# Altium PCB CM3_IO_V1.3_20220317.PcbDoc (part 4 of 7)
Units mil, origin at the board's own origin, x right, y up, seen from the top; angles counter-clockwise.
Board outline 6299.61 x 3544.09 mil, 4 copper layers (Top, GND, Power, Bottom), stack 35.4 mil thick; 551 components, 415 nets, 1958 pads, 2673 vias.
Unrouted connection lines stored in the file: 298.
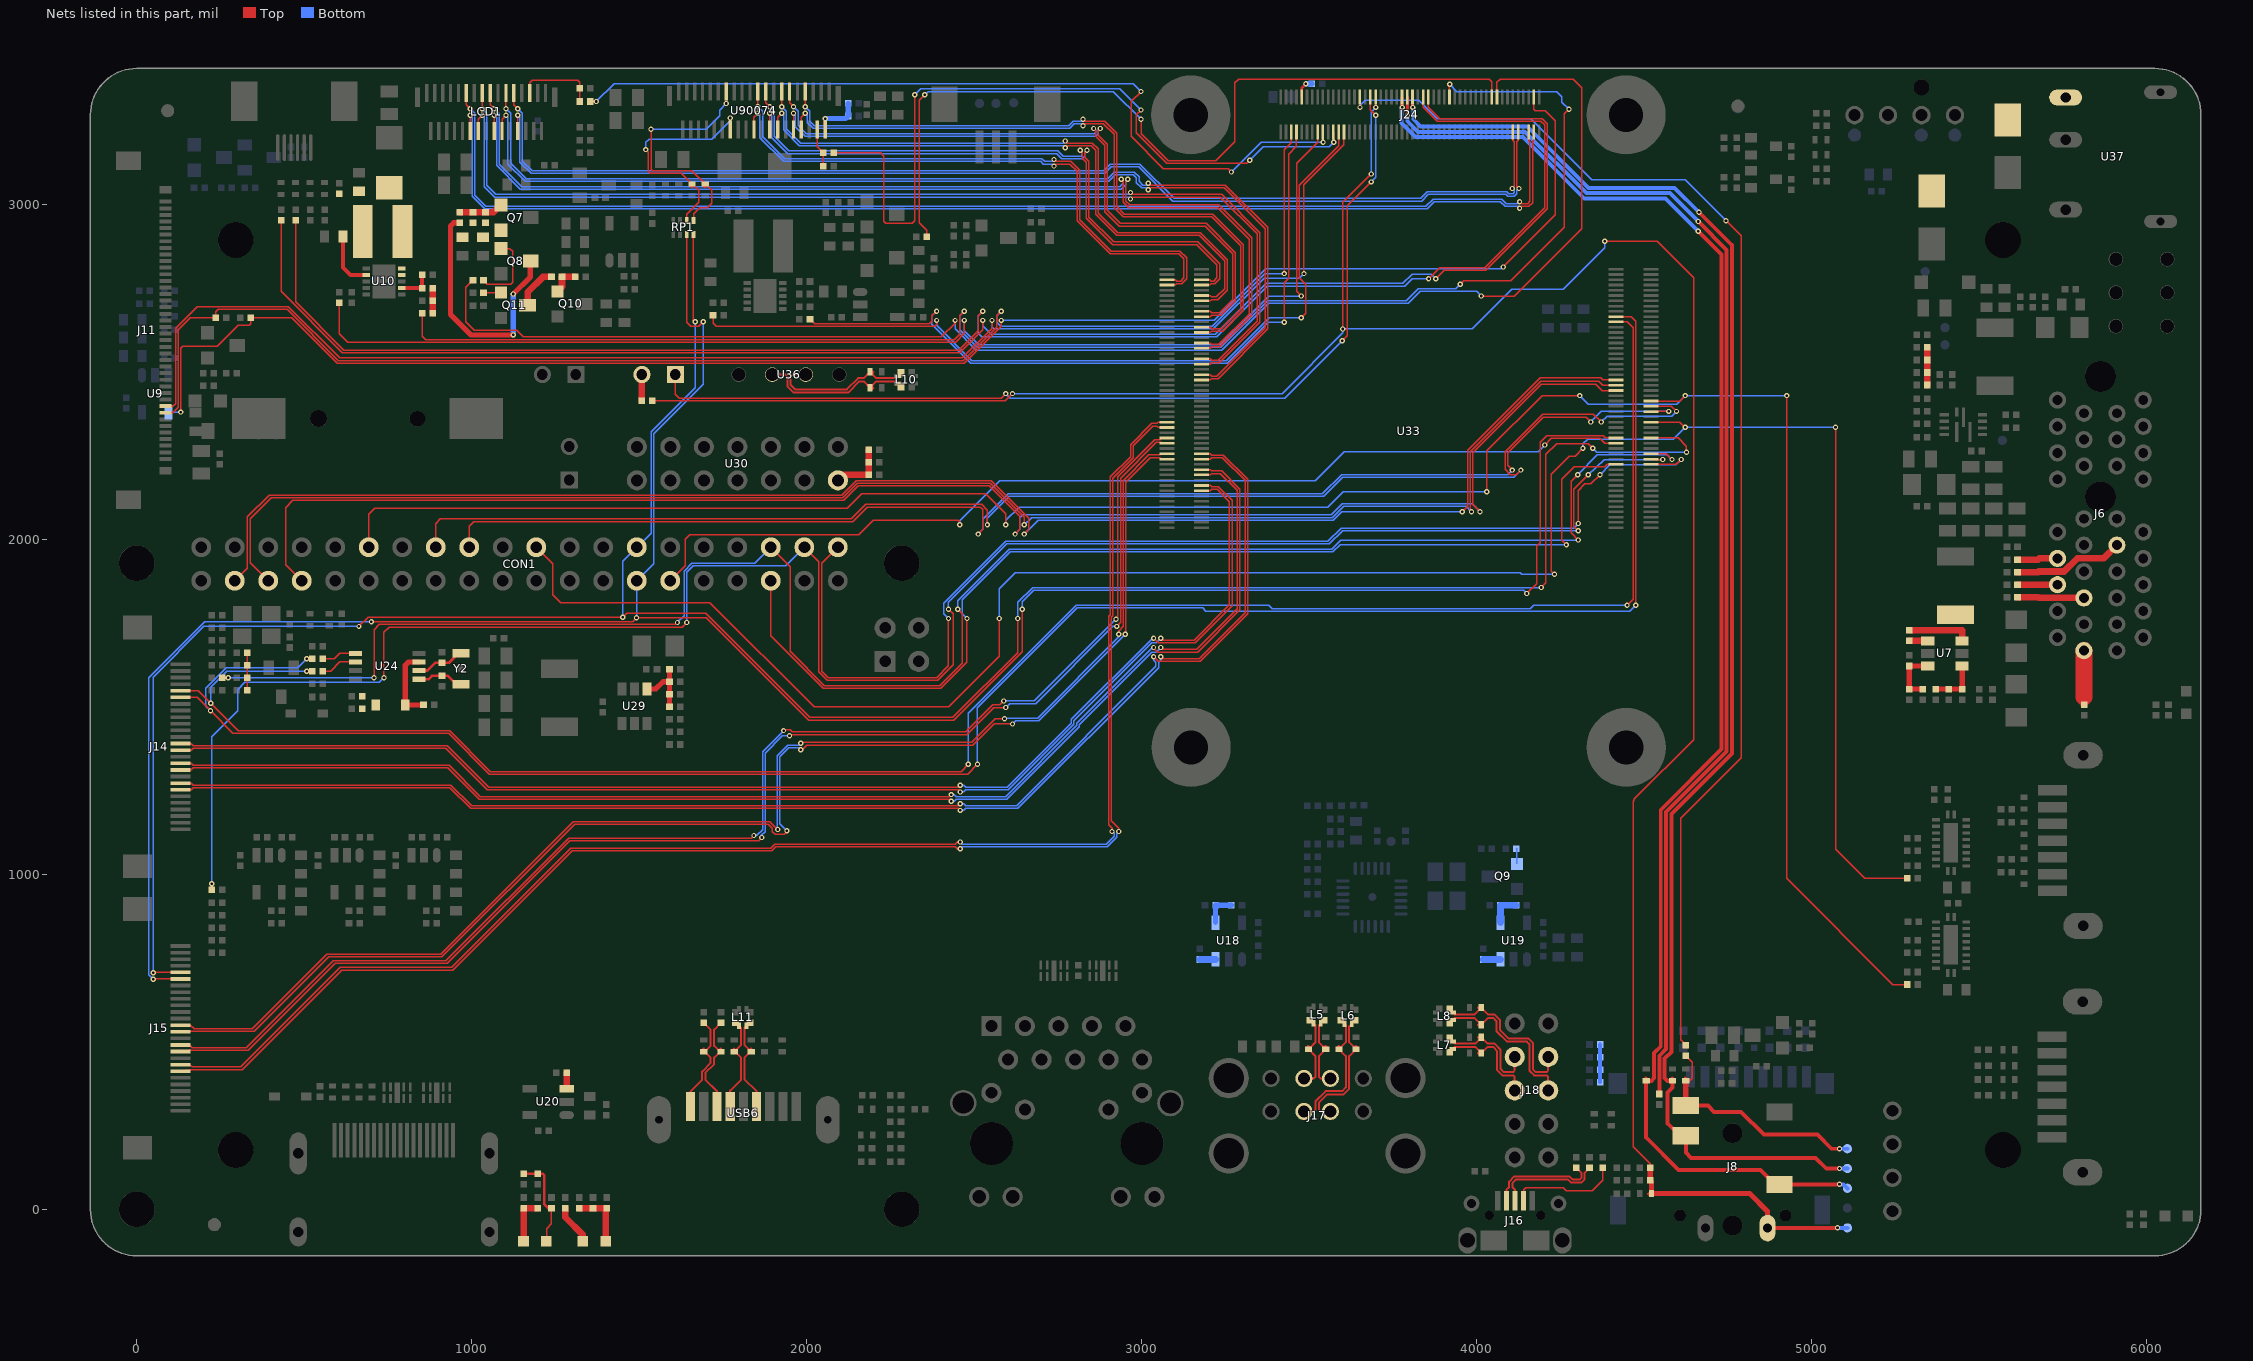
[diagram p6: the nets of this part, all layers, seen from the top]

## Via types
v1: diameter 15.75, hole 7.87, Top to Bottom, 2641 vias
v2: diameter 19.68, hole 11.81, Top to Bottom, 32 vias

## Nets (pads, with @x,y where several pads share a name; then routed paths per layer and width w, separated by ;. In a path a pad name is that pad's centre, name@x,y a point inside that pad or via, vN(x,y) a via of type N, cw(c..) or ccw(c..) an arc to the next point about the centre after c; other vN are vias at no path point) (continued)
HP_DET_L_GPIO4_C4: J24.70 R31.2 | length 3846
  Top w3.94: J24.70@3650.98,3320.08 3651.57,3319.49 v1(3651.57,3289.37) ; R31.2@4624.02,490.16 4608.27,505.91 4608.27,1167.32 4789.37,1348.43 4789.37,2905.51 v1(4744.09,2950.79)
  Bottom w3.94: v1(3651.57,3289.37) 3651.57,3295.28 3667.32,3311.02 3826.77,3311.02 3881.89,3255.91 4160.63,3255.91 4343.7,3072.83 4622.05,3072.83 v1(4744.09,2950.79)
HP_SNS: J24.52 R30.2 | length 3786.9
  Top w7.87: J24.52@3792.72,3320.08 3793.31,3319.49 v1(3793.31,3265.75)
  Top w11.81: R30.2@4545.28,344.49 4545.28,458.66 4564.96,478.35 4564.96,1186.27 4746.06,1367.38 4746.06,2864.17 v1(4661.42,2948.82)
  Bottom w11.81: v1(3793.31,3265.75) 3793.31,3248.03 3824.8,3216.54 4144.32,3216.54 4327.39,3033.46 4576.77,3033.46 v1(4661.42,2948.82)
HPL_OUT: ED16.1 J8.3 J24.50 TP2.1 | length 4524.8
  Top w7.87: J24.50@3808.46,3320.08 3808.46,3305.12 v1(3809.06,3289.37)
  Top w11.81: v1(4663.39,2976.38) 4761.81,2877.95 4761.81,1360.85 4580.71,1179.75 4580.71,470.47 4561.02,450.79 4561.02,391.73 4568.9,383.86 ED16.1@4584.65,383.86 4584.65,364.17 4569.69,349.21 4569.69,257.09 4607.09,219.68 J8.3@4624.02,219.68 4624.02,169.29 4639.76,153.54 5011.81,153.54 5043.31,122.05 v1(5082.68,122.05)
  Bottom w11.81: v1(3809.06,3289.37) 3811.02,3287.4 3811.02,3253.94 3832.68,3232.28 4150.84,3232.28 4333.91,3049.21 4590.55,3049.21 v1(4663.39,2976.38) ; v1(5082.68,122.05) TP2.1@5106.3,122.05
HPR_OUT: ED18.1 J8.6 J24.54 TP5.1 | length 4597.8
  Top w7.87: J24.54@3776.97,3320.08 3776.97,3297.24 v1(3777.56,3289.37)
  Top w11.81: v1(4661.42,2919.29) 4730.31,2850.39 4730.31,1373.9 4549.21,1192.8 4549.21,486.22 4529.53,466.54 4529.53,391.73 4521.65,383.86 ED18.1@4505.91,383.86 4505.91,214.57 4602.36,118.11 4846.39,118.11 4889.76,74.02 J8.6@4903.54,74.02 4904.33,74.8 v1(5082.68,74.8)
  Bottom w11.81: v1(3777.56,3289.37) 3775.59,3287.4 3775.59,3242.13 3816.93,3200.79 4137.8,3200.79 4320.87,3017.72 4562.99,3017.72 v1(4661.42,2919.29) ; v1(5082.68,74.8) 5094.49,74.8 TP5.1@5106.3,62.99
I2C0_SCL_PMIC: J14.5 R140.1 U33.80 | length 5984.3
  Top w3.94: J14.5@131.1,1548.04 184.25,1548.04 v1(221.46,1510.83) 303.15,1429.13 934.17,1429.13 1056.21,1307.09 2460.63,1307.09 v1(2482.28,1328.74) ; v1(507.87,1606.3) R140.1@523.62,1606.3 ; U33.80@4415.75,2649.02 4449.41,2649.02 4466.54,2631.89 4466.54,1820.87 v1(4448.82,1803.15)
  Bottom w3.94: v1(221.46,1510.83) 221.46,1558.75 269.01,1606.3 v1(507.87,1606.3) ; v1(2482.28,1328.74) 2482.28,1481.41 2804.02,1803.15 3379.86,1803.15 3389.71,1793.31 4160.33,1793.31 4170.18,1803.15 v1(4448.82,1803.15)
I2C0_SDA_PMIC: J14.6 R141.1 U33.82 | length 6092.6
  Top w3.94: J14.6@131.1,1528.35 180.32,1528.35 v1(220.47,1488.19) 287.4,1421.26 930.9,1421.26 1052.95,1299.21 2480.31,1299.21 v1(2509.84,1328.74) ; v1(507.87,1643.7) R141.1@523.62,1643.7 ; U33.82@4415.75,2664.76 4460.63,2664.76 4474.41,2650.98 v1(4474.41,1803.15)
  Bottom w3.94: v1(220.47,1488.19) 206.69,1501.97 206.69,1555.12 267.72,1616.14 480.31,1616.14 v1(507.87,1643.7) ; v1(2509.84,1328.74) 2509.84,1497.83 2807.28,1795.28 3181.83,1795.28 3191.68,1785.43 4456.69,1785.43 v1(4474.41,1803.15)
I2C2_SCL_LCD: D14.1 RP1.4 U90074.27 | length 754.3
  Top w3.94: v1(1535.43,3224.41) 1535.43,3104.33 1539.37,3100.39 1657.48,3100.39 D14.1@1696.85,3061.02 1716.54,3041.34 1716.54,3003.94 1702.76,2990.16 1681.1,2990.16 1663.39,2972.44 1663.39,2953.1 RP1.4@1661.89,2951.6 ; v1(1759.84,3301.18) U90074.27@1759.84,3336.61
  Bottom w3.94: v1(1535.43,3224.41) 1700.79,3224.41 1740.16,3263.78 1740.16,3281.5 v1(1759.84,3301.18)
I2C2_SCL_M1: CON1.28 J15.5 RP1.5 U33.35 | length 7781.7
  Top w3.94: v1(49.21,706.69) 50,707.48 J15.5@131.1,707.48 ; v1(663.39,1740.16) 690.94,1767.72 v1(1450.79,1767.72) 1462.6,1779.53 1698.14,1779.53 2009.17,1468.5 2436.39,1468.5 2629.92,1662.03 v1(2629.92,1763.78) ; RP1.5@1661.89,2910.6 1661.89,2653.54 1667.32,2648.11 v1(1667.32,2649.61) ; v1(4192.91,1856.3) 4206.69,1870.08 4206.69,2253.94 4238.19,2285.43 4332.68,2285.43 v1(4346.46,2271.65) ; U33.35@4520.47,2302.56 4600.98,2302.56 4625.98,2277.56 v1(4625.98,2259.84)
  Bottom w3.94: v1(49.21,706.69) 49.21,1588.58 200.79,1740.16 v1(663.39,1740.16) ; v1(1450.79,1767.72) 1450.79,1934.25 CON1.28@1492.91,1976.38 1535.43,2018.9 1535.43,2320.87 1667.32,2452.76 v1(1667.32,2649.61) ; v1(2629.92,1763.78) 2629.92,1811.7 2674.52,1856.3 v1(4192.91,1856.3) ; v1(4346.46,2271.65) 4358.27,2259.84 v1(4625.98,2259.84)
I2C2_SCL_MO: CON1.5 U33.56 | length 4699.2
  Top w3.94: CON1.5@392.91,1876.38 338.58,1930.71 338.58,2061.02 401.57,2124.02 2107.59,2124.02 2150.9,2167.32 2547.92,2167.32 2649.61,2065.64 v1(2649.61,2043.31) ; v1(3984.25,2082.68) 3980.31,2086.61 3980.31,2261.81 4190.94,2472.44 4363.58,2472.44 4375.98,2460.04 U33.56@4415.75,2460.04
  Bottom w3.94: v1(2649.61,2043.31) 2671.26,2064.96 3568.96,2064.96 3602.42,2098.43 3968.5,2098.43 v1(3984.25,2082.68)
I2C2_SDA_LCD: D17.1 RP1.3 U90074.26 | length 688.7
  Top w3.94: v1(1519.69,3163.39) 1527.56,3155.51 1527.56,3098.43 1533.46,3092.52 1625.98,3092.52 D17.1@1657.48,3061.02 1677.17,3041.34 1677.17,3005.91 1641.89,2970.63 RP1.3@1641.89,2951.6 ; U90074.26@1771.65,3223.43 v1(1771.65,3257.87)
  Bottom w3.94: v1(1519.69,3163.39) 1519.69,3185.04 1529.53,3194.88 1716.54,3194.88 1771.65,3250 v1(1771.65,3257.87)
I2C2_SDA_M1: CON1.27 J15.6 RP1.6 U33.36 | length 7548.3
  Top w3.94: v1(49.21,687.01) 50,687.79 J15.6@131.1,687.79 ; v1(700.79,1753.94) 1480.31,1753.94 v1(1492.13,1765.75) 1700.79,1765.75 2005.91,1460.63 2439.65,1460.63 2643.7,1664.68 v1(2643.7,1791.34) ; RP1.6@1641.89,2910.6 1641.89,2647.48 1653.54,2635.83 1677.17,2635.83 v1(1690.94,2649.61) ; v1(4149.61,1838.58) 4179.13,1868.11 4179.13,1980.31 4188.98,1990.16 4188.98,2289.37 4208.66,2309.06 4377.36,2309.06 4383.86,2302.56 U33.36@4415.75,2302.56
  Bottom w3.94: v1(49.21,687.01) 35.43,700.79 35.43,1586.61 202.76,1753.94 v1(700.79,1753.94) ; v1(1492.13,1765.75) 1492.91,1766.54 CON1.27@1492.91,1876.38 1543.31,1926.77 1543.31,2314.96 1690.94,2462.6 v1(1690.94,2649.61) ; v1(2643.7,1791.34) 2643.7,1814.34 2677.78,1848.43 4139.76,1848.43 v1(4149.61,1838.58)
I2C2_SDA_MO: CON1.3 U33.58 | length 4743.3
  Top w3.94: CON1.3@292.91,1876.38 330.71,1914.17 330.71,2066.93 395.67,2131.89 2104.33,2131.89 2133.86,2161.42 2147.64,2175.2 2551.18,2175.2 2663.39,2062.99 2663.39,2029.53 v1(2649.61,2015.75) ; v1(3956.69,2082.68) 3972.44,2098.43 3972.44,2265.75 4188.98,2482.28 4370.08,2482.28 4376.57,2475.79 U33.58@4415.75,2475.79
  Bottom w3.94: v1(2649.61,2015.75) 2690.94,2057.09 3572.22,2057.09 3597.81,2082.68 v1(3956.69,2082.68)
I2C3_SCL_TP: J24.44 R49.1 | length 4976.4
  Top w3.94: R49.1@431.1,2952.76 431.1,2740.16 614.17,2557.09 2457.43,2557.09 2525.59,2625.25 v1(2525.59,2653.54) ; J24.44@3855.71,3320.08 3855.71,3289.96 3889.76,3255.91 4194.94,3255.91 4210.63,3240.22 4210.63,2990.83 4210.63,2986.9 4026.88,2803.15 3903.54,2803.15 v1(3877.95,2777.56)
  Bottom w3.94: v1(2525.59,2653.54) 2525.59,2637.8 2551.18,2612.2 3220.03,2612.2 3371.6,2763.78 3779.53,2763.78 3807.09,2791.34 3864.17,2791.34 v1(3877.95,2777.56)
I2C3_SDA_TP: J24.46 R48.1 | length 5017.6
  Top w3.94: R48.1@474.41,2952.76 474.41,2708.66 618.11,2564.96 2454.16,2564.96 2511.81,2622.61 2511.81,2667.32 v1(2525.59,2681.1) ; J24.46@3839.96,3320.08 3839.96,3289.96 3881.89,3248.03 4191.68,3248.03 4202.76,3236.95 4202.76,2990.16 4023.62,2811.02 3889.76,2811.02 v1(3856.3,2777.56)
  Bottom w3.94: v1(2525.59,2681.1) 2511.81,2667.32 2511.81,2615.29 2522.77,2604.33 3223.29,2604.33 3374.87,2755.91 3785.43,2755.91 3807.09,2777.56 v1(3856.3,2777.56)
I2S1_LRCK_RX_M1: CON1.36 R80.2 U33.29 | length 5592.8
  Top w3.94: R80.2@255.91,1586.61 v1(273.62,1586.61) ; v1(708.66,1586.61) 708.66,1730.31 724.41,1746.06 1608.27,1746.06 v1(1614.17,1751.97) ; CON1.36@1892.91,1976.38 1950.79,1918.5 1950.79,1665.35 2053.15,1562.99 2397.25,1562.99 2464.57,1630.31 2464.57,1777.56 v1(2450.79,1791.34) ; v1(4301.18,2192.91) 4281.5,2173.23 4281.5,2019.68 v1(4303.15,1998.03) ; U33.29@4520.47,2255.31 4565.55,2255.31 v1(4582.68,2238.19)
  Bottom w3.94: v1(273.62,1586.61) v1(708.66,1586.61) ; v1(1614.17,1751.97) 1633.86,1771.65 1633.86,1905.51 1657.48,1929.13 1845.67,1929.13 CON1.36@1892.91,1976.38 ; v1(2450.79,1791.34) 2450.79,1816.99 2604.27,1970.47 3566.93,1970.47 3594.49,1998.03 v1(4303.15,1998.03) ; v1(4301.18,2192.91) 4360.24,2251.97 4568.9,2251.97 v1(4582.68,2238.19)
I2S1_LRCK_TX_M1: CON1.35 U33.26 | length 3291.6
  Top w3.94: CON1.35@1892.91,1876.38 1892.91,1712.09 2049.89,1555.12 2400.51,1555.12 2478.35,1632.95 v1(2478.35,1763.78) ; v1(4267.72,1984.25) 4253.94,1998.03 4253.94,2179.13 4291.34,2216.54 4382.48,2216.54 4389.76,2223.82 U33.26@4415.75,2223.82
  Bottom w3.94: v1(2478.35,1763.78) 2464.57,1777.56 2464.57,1819.63 2607.53,1962.6 3570.87,1962.6 3592.52,1984.25 v1(4267.72,1984.25)
I2S1_MCLK_M1: CON1.22 R28.2 U33.41 | length 6411.3
  Top w3.94: CON1.22@1192.91,1976.38 1242.13,1927.17 1242.13,1834.65 1265.75,1811.02 1711.19,1811.02 2022.21,1500 2423.34,1500 2574.8,1651.46 v1(2574.8,1763.78) ; v1(4232.28,1895.67) 4222.44,1905.51 4222.44,2194.88 4275.59,2248.03 4293.31,2248.03 v1(4316.93,2271.65) ; U33.41@4520.47,2349.8 4606.3,2349.8 4621.46,2334.65 v1(4622.05,2334.65) ; v1(5070.87,2334.65) 5070.87,1074.8 5157.48,988.19 R28.2@5285.43,988.19
  Bottom w3.94: v1(2574.8,1763.78) 2574.8,1851.92 2622.49,1899.61 4129.92,1899.61 4133.86,1895.67 v1(4232.28,1895.67) ; v1(4316.93,2271.65) 4316.93,2285.43 4330.71,2299.21 4586.61,2299.21 v1(4622.05,2334.65) v1(5070.87,2334.65)
I2S1_SCLK_TX_M1: CON1.12 R135.2 U33.49 | length 6714.6
  Top w3.94: CON1.12@692.91,1976.38 692.91,2074.8 710.63,2092.52 2120.64,2092.52 2163.95,2135.83 2534.87,2135.83 2594.49,2076.21 v1(2594.49,2043.31) ; v1(4029.53,2141.73) 4029.53,2263.78 4194.88,2429.13 v1(4307.09,2429.13) ; U33.49@4520.47,2412.8 4605.71,2412.8 v1(4622.05,2429.13) ; v1(4925.2,2429.13) 4925.2,988.19 5242.13,671.26 R135.2@5285.43,671.26
  Bottom w3.94: v1(2594.49,2043.31) 2594.49,2056.47 2634.48,2096.46 3555.91,2096.46 3601.19,2141.73 v1(4029.53,2141.73) ; v1(4307.09,2429.13) 4332.68,2403.54 4596.46,2403.54 v1(4622.05,2429.13) v1(4925.2,2429.13)
I2S1_SDI0_M1: CON1.38 R82.2 U33.27 | length 6112
  Top w3.94: R82.2@224.41,954.72 v1(224.41,972.44) ; v1(738.19,1586.61) 738.19,1722.44 753.94,1738.19 1627.95,1738.19 v1(1641.73,1751.97) ; CON1.38@1992.91,1976.38 2035.43,1933.86 2035.43,1605.01 2061.7,1578.74 2390.73,1578.74 2437.01,1625.02 2437.01,1777.56 v1(2423.23,1791.34) ; v1(4303.15,2025.59) 4289.37,2039.37 4289.37,2149.61 v1(4332.68,2192.91) ; U33.27@4520.47,2239.57 4521.06,2238.19 v1(4555.12,2238.19)
  Bottom w3.94: v1(224.41,972.44) 224.41,1411.42 301.18,1488.19 301.18,1551.18 322.83,1572.83 724.41,1572.83 v1(738.19,1586.61) ; v1(1641.73,1751.97) 1641.73,1901.57 1661.42,1921.26 1937.8,1921.26 CON1.38@1992.91,1976.38 ; v1(2423.23,1791.34) 2423.23,1811.7 2597.75,1986.22 3560.41,1986.22 3599.78,2025.59 v1(4303.15,2025.59) ; v1(4332.68,2192.91) 4379.92,2238.19 v1(4555.12,2238.19)
I2S1_SDI1_M1: CON1.18 U33.45 | length 4045.9
  Top w3.94: CON1.18@992.91,1976.38 992.91,2039.37 1006.69,2053.15 2136.95,2053.15 2180.25,2096.46 2518.57,2096.46 2525.59,2089.43 2525.59,2029.53 v1(2511.81,2015.75) ; v1(4106.3,2206.69) 4092.52,2220.47 4092.52,2257.87 4198.82,2364.17 4326.77,2364.17 v1(4340.55,2350.39) ; U33.45@4520.47,2381.3 4521.06,2381.89 v1(4572.83,2381.89)
  Bottom w3.94: v1(2511.81,2015.75) 2525.59,2029.53 2525.59,2060.46 2600.95,2135.83 3539.6,2135.83 3596.69,2192.91 4092.52,2192.91 v1(4106.3,2206.69) ; v1(4340.55,2350.39) 4372.05,2381.89 v1(4572.83,2381.89)
I2S1_SDI2_M1: CON1.16 U33.47 | length 4239.1
  Top w3.94: CON1.16@892.91,1976.38 892.91,2047.24 906.69,2061.02 2133.68,2061.02 2176.99,2104.33 2521.83,2104.33 2539.37,2086.79 v1(2539.37,2043.31) ; v1(4131.89,2206.69) 4118.11,2192.91 4100.39,2192.91 4084.65,2208.66 4084.65,2261.14 4197.53,2374.02 4348.43,2374.02 v1(4372.05,2350.39) ; U33.47@4520.47,2397.05 4581.3,2397.05 v1(4596.46,2381.89)
  Bottom w3.94: v1(2539.37,2043.31) 2539.37,2063.11 2604.21,2127.95 3542.86,2127.95 3599.95,2185.04 4110.24,2185.04 v1(4131.89,2206.69) ; v1(4372.05,2350.39) 4389.76,2368.11 4582.68,2368.11 v1(4596.46,2381.89)
I2S1_SDI3_M1: CON1.7 U33.54 | length 4711.5
  Top w3.94: CON1.7@492.91,1876.38 444.88,1924.41 444.88,2094.49 466.54,2116.14 2110.85,2116.14 2154.16,2159.45 2544.66,2159.45 2635.83,2068.28 2635.83,2029.53 v1(2622.05,2015.75) ; v1(4009.84,2082.68) 3988.19,2104.33 3988.19,2257.87 4192.91,2462.6 4355.71,2462.6 4374.02,2444.29 U33.54@4415.75,2444.29
  Bottom w3.94: v1(2622.05,2015.75) 2635.83,2029.53 2635.83,2064.4 2644.26,2072.83 3565.69,2072.83 3599.16,2106.3 3986.22,2106.3 v1(4009.84,2082.68)
I2S1_SDO0_M1: CON1.40 U33.25 | length 3515
  Top w3.94: CON1.40@2092.91,1976.38 2045.28,1928.74 2045.28,1606.3 2064.96,1586.61 2387.47,1586.61 2423.23,1622.38 v1(2423.23,1763.78) ; v1(4303.15,2047.24) 4303.15,2145.67 4322.83,2165.35 4340.55,2165.35 v1(4368.11,2192.91) ; U33.25@4520.47,2223.82 4595.87,2223.82 v1(4610.24,2238.19)
  Bottom w3.94: v1(2423.23,1763.78) 2409.45,1777.56 2409.45,1809.06 2594.49,1994.09 3555.85,1994.09 3595.22,2033.46 4289.37,2033.46 v1(4303.15,2047.24) ; v1(4368.11,2192.91) 4397.64,2222.44 4594.49,2222.44 v1(4610.24,2238.19)
I2S1_SDO2_M1: CON1.29 U33.34 | length 3074.2
  Top w3.94: CON1.29@1592.91,1876.38 1637.8,1921.26 1637.8,2000 1651.57,2013.78 2155.51,2013.78 2198.82,2057.09 2451.46,2057.09 2456.69,2051.86 v1(2456.69,2043.31) ; v1(4202.76,2281.5) 4222.44,2301.18 4367.52,2301.18 4381.89,2286.81 U33.34@4415.75,2286.81
  Bottom w3.94: v1(2456.69,2043.31) 2456.69,2055.12 2576.77,2175.2 3517.72,2175.2 3604.33,2261.81 4183.07,2261.81 v1(4202.76,2281.5)
IOVCC_1V8: R9210.2 R9211.2 U90074.2 | length 142
  Top w9.84: U90074.2@2055.12,3223.43 v1(2055.12,3255.91)
  Bottom w15.75: v1(2055.12,3255.91) 2116.14,3255.91 R9211.2@2124.02,3263.78 R9210.2@2124.02,3301.18
LCD0_BL_EN: J11.32 J24.75 | length 4339.5
  Top w3.94: J11.32@86.61,2397.64 108.27,2397.64 116.14,2405.51 116.14,2629.92 181.1,2694.88 452.76,2694.88 606.3,2541.34 2463.95,2541.34 2553.15,2630.54 v1(2553.15,2653.54) ; v1(3484.25,2793.31) 3484.25,3059.06 3603.74,3178.54 J24.75@3603.74,3216.14
  Bottom w3.94: v1(2553.15,2653.54) 2553.15,2632.51 2557.7,2627.95 3213.51,2627.95 3365.08,2779.53 3470.47,2779.53 v1(3484.25,2793.31)
LCD0_BL_PWM5: J11.33 J24.95 R43.1 | length 4312.4
  Top w3.94: J11.33@86.61,2377.95 108.27,2377.95 124.02,2393.7 124.02,2625.98 159.45,2661.42 R43.1@236.22,2661.42 236.22,2679.13 244.09,2687.01 448.82,2687.01 602.36,2533.46 2467.21,2533.46 2566.93,2633.18 2566.93,2667.32 v1(2580.71,2681.1) ; v1(3425.2,2793.31) 3425.2,3163.39 3446.26,3184.45 J24.95@3446.26,3216.14
  Bottom w3.94: v1(2580.71,2681.1) 2566.93,2667.32 2566.93,2647.64 2578.74,2635.83 3210.24,2635.83 3367.72,2793.31 v1(3425.2,2793.31)
LCD1_PWREN_H: J24.4 R41.1 U9.4 | length 5024.2
  Top w3.94: v1(131.89,2379.92) 131.89,2570.87 137.8,2576.77 240.16,2576.77 303.15,2639.76 336.61,2639.76 340.55,2643.7 R41.1@340.55,2661.42 462.6,2661.42 598.43,2525.59 2470.47,2525.59 2580.71,2635.83 v1(2580.71,2653.54) ; v1(4078.74,2812.99) 4234.25,2968.5 4234.25,3250 4204.72,3279.53 4174.61,3279.53 4170.67,3283.46 J24.4@4170.67,3320.08
  Bottom w3.94: U9.4@94.49,2379.92 v1(131.89,2379.92) ; v1(2580.71,2653.54) 3216.83,2653.54 3370.37,2807.09 4072.83,2807.09 v1(4078.74,2812.99)
LCD_RESET: R194.2 R195.1 U90074.4 | length 116.6
  Top w3.94: U90074.4@2031.5,3223.43 2031.5,3171.26 R194.2@2049.21,3153.54 R195.1@2049.21,3114.17
MCLK: C72.1 R86.1 R87.2 R88.1 | length 112.2
  Top w3.94: R86.1@330.71,1549.21 R88.1@330.71,1586.61 C72.1@330.71,1624.02 R87.2@330.71,1661.42
MIC1_IN: ED19.1 J8.5 J24.64 R32.2 R34.1 R35.2 TP4.1 | length 7590.4
  Top w3.94: R35.2@1539.37,2413.39 2592.52,2413.39 v1(2614.17,2435.04) ; v1(3600.39,2627.95) 3600.39,3005.91 v1(3685.04,3090.55) ; J24.64@3698.23,3320.08 3698.82,3319.49 v1(3698.82,3289.37) ; v1(4381.89,2889.76) 4538.08,2889.76 4647.64,2780.2 4647.64,1402.58 4470.47,1225.41 4470.47,1222.44 4466.54,1218.5 4466.54,187.01 4517.72,135.83 R34.1@4517.72,124.02
  Top w11.81: J8.5@4868.11,-55.91 4868.9,-55.12 v1(5076.77,-55.12)
  Top w15.75: R34.1@4517.72,124.02 R32.2@4517.72,86.61 4521.65,82.68 ED19.1@4521.65,47.24 4814.96,47.24 4868.11,-5.91 J8.5@4868.11,-55.91
  Bottom w3.94: v1(2614.17,2435.04) 3419.29,2435.04 3600.39,2616.14 v1(3600.39,2627.95) 3986.22,2627.95 4104.33,2746.06 4257.87,2746.06 4381.89,2870.08 v1(4381.89,2889.76) ; v1(3685.04,3090.55) 3685.04,3275.59 v1(3698.82,3289.37)
  Bottom w11.81: v1(5076.77,-55.12) TP4.1@5106.3,-55.12
MIC2_IN: J10.1 J24.66 | length 2912.7
  Top w3.94: J10.1@1608.27,2492.13 1608.27,2433.07 1620.08,2421.26 2580.71,2421.26 v1(2594.49,2435.04) ; v1(3598.43,2592.52) 3614.17,2608.27 3614.17,2996.06 v1(3685.04,3066.93) ; J24.66@3682.48,3320.08 3682.48,3281.5 3683.07,3281.5 v1(3698.82,3265.75)
  Bottom w3.94: v1(2594.49,2435.04) 2608.27,2421.26 3427.17,2421.26 v1(3598.43,2592.52) ; v1(3685.04,3066.93) 3698.82,3080.71 v1(3698.82,3265.75)
MIPI_BL_EN_1: J24.85 R54.1 | length 3654.4
  Top w3.94: R54.1@604.33,2706.69 604.33,2614.17 629.92,2588.58 2444.38,2588.58 2470.47,2614.67 v1(2470.47,2653.54) ; v1(3476.38,2726.38) 3462.6,2740.16 3462.6,3122.64 3525,3185.04 J24.85@3525,3216.14
  Bottom w3.94: v1(2470.47,2653.54) 2470.47,2623.22 2512.99,2580.71 3233.07,2580.71 3378.74,2726.38 v1(3476.38,2726.38)
MIPI_BL_EN_2: J24.77 R191.1 | length 2526.3
  Top w3.94: R191.1@1720.47,2669.29 1720.47,2645.67 1730.31,2635.83 2381.89,2635.83 2387.8,2641.73 v1(2387.8,2653.54) ; v1(3476.38,2661.42) 3490.16,2675.2 3490.16,2761.81 3470.47,2781.5 3470.47,3057.09 3587.99,3174.61 J24.77@3587.99,3216.14
  Bottom w3.94: v1(2387.8,2653.54) 2387.8,2639.09 2493.42,2533.46 3252.64,2533.46 3380.6,2661.42 v1(3476.38,2661.42)
MIPI_CSI_RX_CLK0N: J14.20 U33.127 | length 4026.9
  Top w3.94: J14.20@131.1,1252.76 163.39,1252.76 169.29,1258.66 935.04,1258.66 996.85,1196.85 2452.76,1196.85 v1(2458.66,1190.94) ; v1(3057.09,1649.61) 3062.99,1643.7 3171.94,1643.7 3309.06,1780.82 3309.06,2175.84 3240.83,2243.5 3208.66,2243.5 3204.72,2239.57 U33.127@3179.13,2239.57
  Bottom w3.94: v1(2458.66,1190.94) 2468.5,1190.94 2474.41,1196.85 2629.58,1196.85 3050.2,1617.46 3050.2,1632.87 3057.09,1639.76 v1(3057.09,1649.61)
MIPI_CSI_RX_CLK0P: J14.19 U33.129 | length 4064.9
  Top w3.94: J14.19@131.1,1272.45 163.39,1272.45 169.29,1266.54 938.3,1266.54 1000.11,1204.72 2452.76,1204.72 v1(2458.66,1210.63) ; v1(3035.43,1649.61) 3049.21,1635.83 3175.2,1635.83 3316.93,1777.56 3316.93,2179.13 3244.09,2251.38 3208.66,2251.38 3204.72,2255.31 U33.129@3179.13,2255.31
  Bottom w3.94: v1(2458.66,1210.63) 2468.5,1210.63 2474.41,1204.72 2626.32,1204.72 3042.32,1620.73 3042.32,1632.87 3035.43,1639.76 v1(3035.43,1649.61)
MIPI_CSI_RX_CLK1N: J15.20 U33.140 | length 4422.3
  Top w3.94: J15.20@131.1,412.2 143.7,412.2 146.85,415.35 159.45,415.35 161.42,417.32 198.82,417.32 198.92,417.22 314.86,417.22 612.2,714.57 943.38,714.57 1299.68,1070.87 1895.61,1070.87 1907.42,1082.68 2442.91,1082.68 2448.82,1076.77 v1(2458.66,1076.77) ; v1(2931.1,1127.95) 2931.1,1137.8 2909.45,1159.45 2909.45,1767.52 2913.39,1771.45 2913.39,2183.01 2974.41,2244.04 2974.41,2279.27 3033.13,2337.99 3045.28,2337.99 3049.21,2334.06 U33.140@3075.2,2334.06
  Bottom w3.94: v1(2458.66,1076.77) 2464.57,1082.68 2897.64,1082.68 2925.2,1110.24 2925.2,1122.05 v1(2931.1,1127.95)
MIPI_CSI_RX_CLK1P: J15.19 U33.142 | length 4418.7
  Top w3.94: J15.19@131.1,431.89 158.66,431.89 165.35,425.2 311.02,425.2 608.27,722.44 936.02,722.44 940.12,722.44 1078.72,861.04 1078.72,862.18 1295.28,1078.74 1892.35,1078.74 1904.16,1090.55 2442.91,1090.55 2448.82,1096.46 v1(2458.66,1096.46) ; v1(2911.42,1127.95) 2911.42,1137.8 2901.58,1147.64 2901.58,1770.78 2905.51,1774.72 2905.51,2186.27 2966.54,2247.3 2966.54,2282.54 3029.87,2345.87 3045.28,2345.87 3049.21,2349.8 U33.142@3075.2,2349.8
  Bottom w3.94: v1(2458.66,1096.46) 2464.57,1090.55 2894.38,1090.55 2917.32,1113.5 2917.32,1122.05 v1(2911.42,1127.95)
MIPI_CSI_RX_D0N: J14.14 U33.115 | length 3837.7
  Top w3.94: J14.14@131.1,1370.87 163.39,1370.87 169.29,1376.77 922.44,1376.77 1047.24,1251.97 2452.76,1251.97 v1(2458.66,1246.06) ; v1(3057.09,1704.72) 3062.99,1698.82 3156.19,1698.82 3261.81,1804.44 3261.81,2112.81 3225.09,2149.02 3208.66,2149.02 3204.72,2145.08 U33.115@3179.13,2145.08
  Bottom w3.94: v1(2458.66,1246.06) 2468.5,1246.06 2474.41,1251.97 2602.11,1251.97 2797.86,1447.72 2797.86,1459.08 3029.73,1690.94 3043.31,1690.94 v1(3057.09,1704.72)
MIPI_CSI_RX_D0P: J14.13 U33.117 | length 3864.6
  Top w3.94: J14.13@131.1,1390.56 163.39,1390.56 169.29,1384.65 926.38,1384.65 1051.18,1259.84 2452.76,1259.84 v1(2458.66,1265.75) ; v1(3035.43,1704.72) 3049.21,1690.94 3159.45,1690.94 3269.69,1801.18 3269.69,2116.14 3228.35,2156.89 3208.66,2156.89 3204.72,2160.83 U33.117@3179.13,2160.83
  Bottom w3.94: v1(2458.66,1265.75) 2468.5,1265.75 2474.41,1259.84 2598.84,1259.84 2789.99,1450.99 2789.99,1462.34 3026.46,1698.82 3027.42,1698.82 3034.38,1705.78 v1(3035.43,1704.72)